# Altium PCB Clock_pcb.PcbDoc (part 2 of 2)
Units mil, origin at the board's own origin, x right, y up, seen from the top; angles counter-clockwise.
Board outline 6729 x 5417 mil, 2 copper layers (Top Layer, Bottom Layer); 84 components, 147 nets, 544 pads, 70 vias.
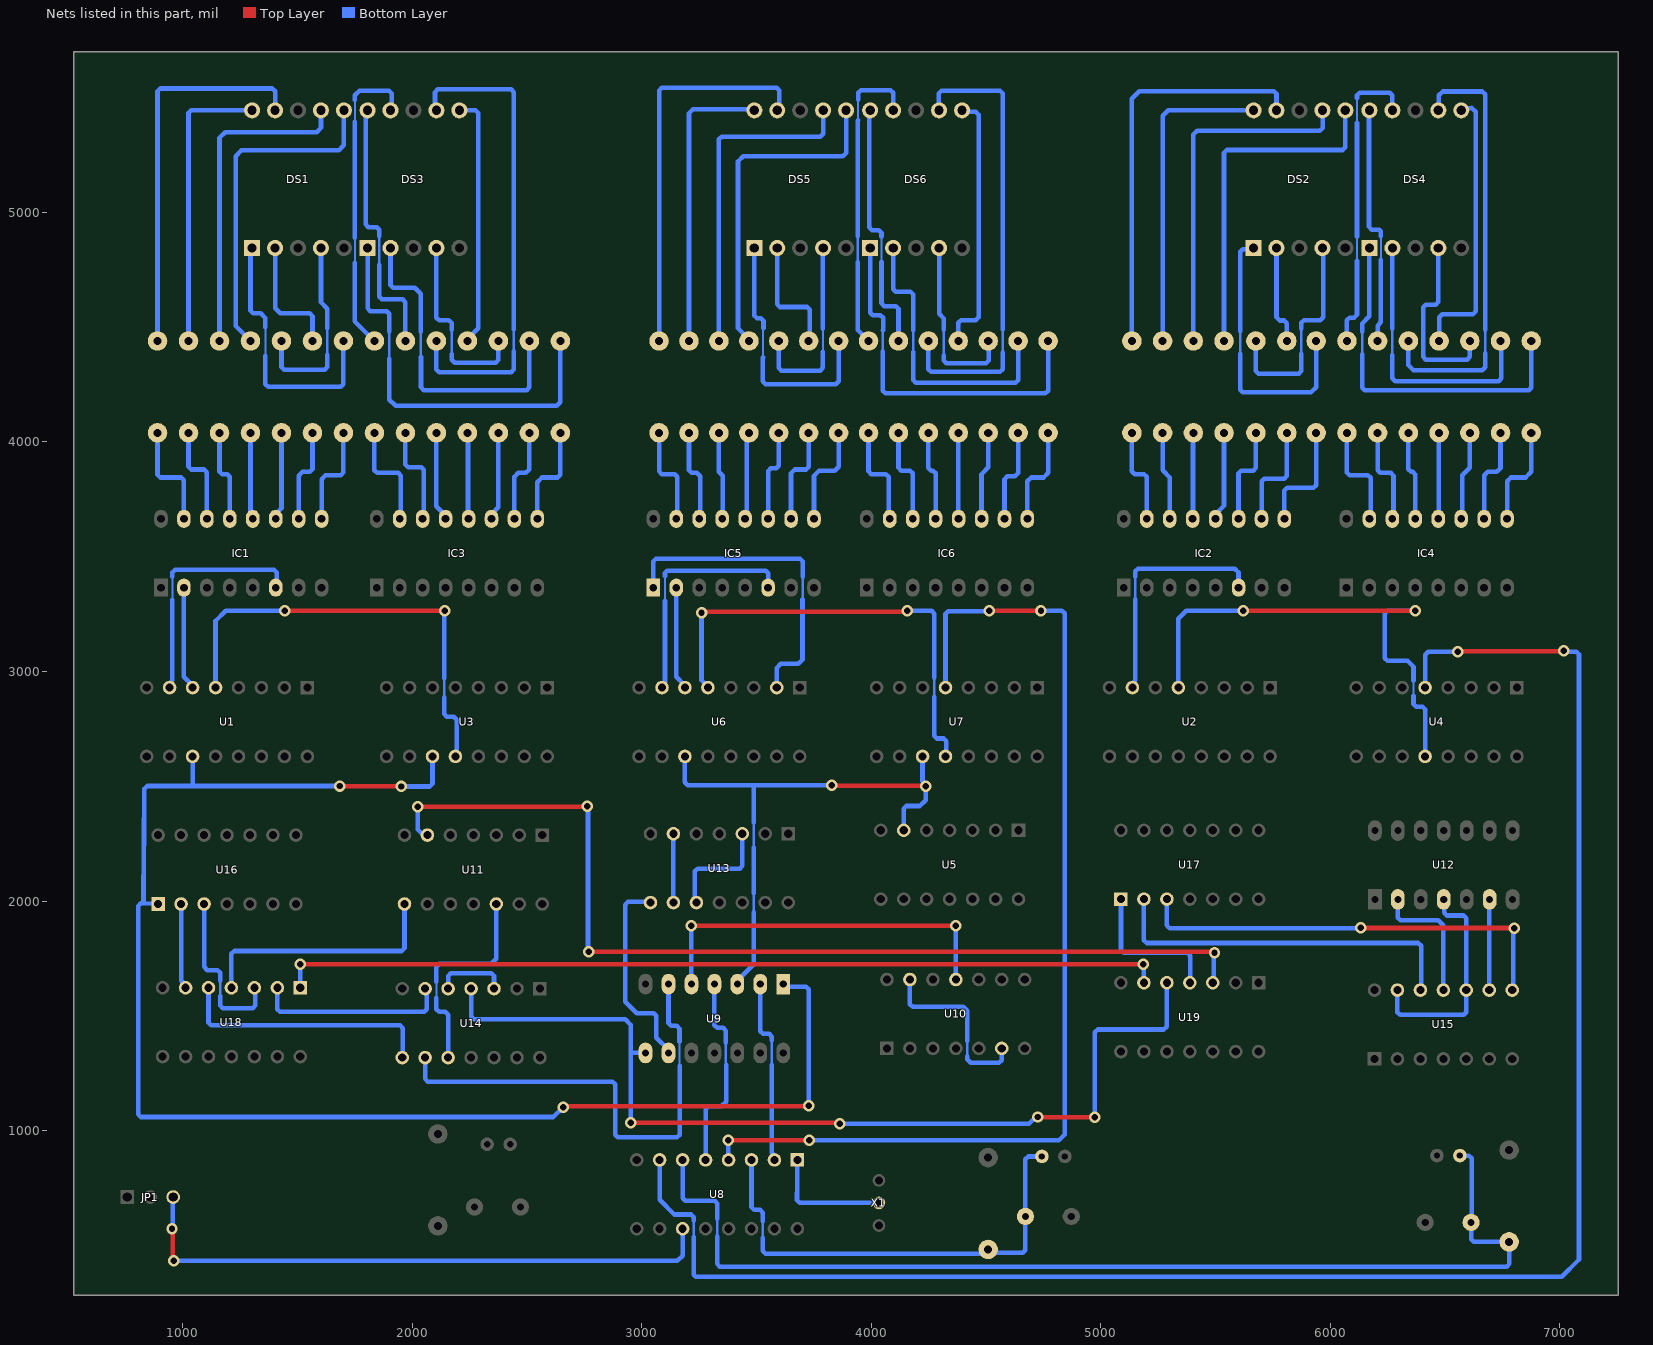
[diagram p2: the nets of this part, all layers, seen from the top]

## Via types
v1: diameter 50, hole 28, Top Layer to Bottom Layer, 70 vias

## Nets (pads, with @x,y where several pads share a name; then routed paths per layer and width w, separated by ;. In a path a pad name is that pad's centre, name@x,y a point inside that pad or via, vN(x,y) a via of type N, cw(c..) or ccw(c..) an arc to the next point about the centre after c; other vN are vias at no path point) (continued)
H3: IC2.6 U2.7 | length 1039.3
  Bottom Layer w10: 5150,3314 5150,3414
  Bottom Layer w20: U2.7@5137.44,2930 5144.91,2937.47 5144.91,2956.15 5150,2961.24 5150,3314 ; 5150,3414 5150,3436.28 5161.72,3448 5583,3448 5599.71,3431.29 IC2.6@5599.71,3365
HOUR_RESET: JP1.3 U8.11 | length 2627.4
  Top Layer w20: v1(953,573) 956.5,569.5 956.5,435.5 v1(960,432)
  Bottom Layer w20: v1(953,573) 955.5,575.5 955.5,707.5 JP1.3@958,710 ; v1(960,432) 3155,432 3177.73,454.73 U8.11@3177.73,572.03
MONTH_IN: U7.5 U8.4 | length 4683.6
  Top Layer w20: v1(3377,957) 3729,957 v1(3730,958) ; v1@4516.87,3265 v1(4739,3265)
  Bottom Layer w20: v1(3377,957) 3377.37,956.63 3377.37,872.39 U8.4@3377.73,872.03 ; v1(3730,958) 4817.28,958 4842,982.72 4842,3253.28 4830.28,3265 v1(4739,3265) ; U7.5@4322.98,2930 4322.98,3251.28 4334.69,3263 v1@4518.95,3263
  other v1: 4513,3265
MONTH_SWT: C2.1 R30.2 SW2.2 U8.3 | length 2061.5
  Bottom Layer w10: 3527,533 3527,605
  Bottom Layer w20: U8.3@3477.73,872.03 3477.73,665.72 3489.45,654 3515.28,654 3527,642.28 3527,605 ; 3527,533 3527,475.72 3538.72,464 4502.04,464 R30.2@4508.75,470.72 ; R30.2@4509,467 4659.28,467 4671,478.72 SW2.2@4671,626 4671,875.28 4682.72,887 C2.1@4743,887
NetDS1_1: DS1.1 R5.1 | length 1180.6
  Bottom Layer w10: 1360,4375 1360,4500
  Bottom Layer w20: DS1.1@1302.05,4845 1295,4837.94 1295,4571.72 1306.72,4560 1340,4560 1360,4540 1360,4500 ; 1360,4375 1360,4251.72 1371.72,4240 1688.28,4240 1700,4251.72 R5.1@1700,4440
NetDS1_2: DS1.2 R4.1 | length 547.6
  Bottom Layer w20: DS1.2@1402.05,4845 1402.05,4582.94 1425,4560 1553.28,4560 1565,4548.28 R4.1@1565,4440
NetDS1_4: DS1.4 R3.1 | length 852.8
  Bottom Layer w10: 1630,4380 1630,4495
  Bottom Layer w20: R3.1@1430,4440 1430,4326.72 1441.72,4315 1618.28,4315 1630,4326.72 1630,4380 ; DS1.4@1602.05,4845 1602.05,4607.94 1630,4580 1630,4495
NetDS1_6: DS1.6 R2.1 | length 1476.4
  Bottom Layer w20: R2.1@1295,4440 1230,4505 1230,5245 1255,5270 1680,5270 1702.05,5292.06 DS1.6@1702.05,5445
NetDS1_7: DS1.7 R1.1 | length 1421.4
  Bottom Layer w20: R1.1@1160,4440 1160,5325 1185,5350 1583.28,5350 1602.05,5368.77 DS1.7@1602.05,5445
NetDS1_9: DS1.9 R6.1 | length 1693.3
  Bottom Layer w20: R6.1@890,4440 890,5528.28 901.72,5540 1390.34,5540 1402.05,5528.28 DS1.9@1402.05,5445
NetDS1_10: DS1.10 R7.1 | length 1275.2
  Bottom Layer w20: R7.1@1025,4440 1025,5433.28 1036.72,5445 DS1.10@1302.05,5445
NetDS2_1: DS2.1 R12.1 | length 1212.1
  Bottom Layer w10: 5607,4384 5607,4482
  Bottom Layer w20: 5607,4384 5607,4227.72 5618.72,4216 5915.28,4216 5938.08,4238.79 R12.1@5938.08,4440 ; 5607,4482 5607,4828.28 5618.72,4840 5660,4840 DS2.1@5665,4845
NetDS2_2: DS2.2 R11.1 | length 434.4
  Bottom Layer w20: DS2.2@5765,4845 5765,4544 5780,4529 5798.28,4529 5810,4517.28 R11.1@5810,4440
NetDS2_4: DS2.4 R10.1 | length 957.2
  Bottom Layer w10: 5873,4385 5873,4493
  Bottom Layer w20: R10.1@5675,4440 5675,4309 5686.72,4297.28 5861.28,4297.28 5873,4309 5873,4385 ; 5873,4493 5873,4519.28 5884.72,4531 5956.28,4531 5968,4542.72 5968,4842 DS2.4@5965,4845
NetDS2_6: DS2.6 R9.1 | length 1519.3
  Bottom Layer w20: R9.1@5536.54,4440 5536.54,5259.54 5549,5272 6053.28,5272 6065,5283.72 DS2.6@6065,5445
NetDS2_7: DS2.7 R8.1 | length 1552.3
  Bottom Layer w20: R8.1@5402.69,4440 5402.69,5339.69 5419,5356 5954.28,5356 5966,5367.72 5966,5444 DS2.7@5965,5445
NetDS2_9: DS2.9 R13.1 | length 1775.4
  Bottom Layer w20: R13.1@5135,4440 5135,5496 5167,5528 5753.28,5528 5765,5516.28 DS2.9@5765,5445
NetDS2_10: DS2.10 R14.1 | length 1387.2
  Bottom Layer w20: R14.1@5268.85,4440 5268.85,5421.13 5292.72,5445 DS2.10@5665,5445
NetDS3_1: DS3.1 R19.1 | length 1772.3
  Bottom Layer w10: 1900,4363 1900,4480
  Bottom Layer w20: DS3.1@1805,4845 1805,4581.72 1816.72,4570 1888.28,4570 1900,4558.28 1900,4480 ; 1900,4363 1900,4184 1927,4157 2629.28,4157 2645,4172.72 R19.1@2645,4440
NetDS3_2: DS3.2 R18.1 | length 1401.6
  Bottom Layer w10: 2037,4480 2037,4373 2038,4372
  Bottom Layer w20: DS3.2@1905,4845 1905,4682.72 1916.72,4671 2011,4671 2037,4645 2037,4480 ; 2038,4372 2038,4237.72 2049.72,4226 2498.28,4226 2510,4237.72 R18.1@2510,4440
NetDS3_4: DS3.4 R17.1 | length 835.6
  Bottom Layer w10: 2171,4488 2172,4487 2172,4383
  Bottom Layer w20: DS3.4@2105,4845 2105,4541.72 2116.72,4530 2159.28,4530 2171,4518.28 2171,4488 ; 2172,4383 2172,4358.72 2185.72,4345 2363,4345 2375,4357 R17.1@2375,4440
NetDS3_6: DS3.6 R16.1 | length 1099.6
  Bottom Layer w20: DS3.6@2205,5445 2275.28,5445 2287,5433.28 2287,4495.53 2240,4448.53 R16.1@2240,4440
NetDS3_7: DS3.7 R15.1 | length 2114
  Bottom Layer w10: 2442,4395 2442,4490
  Bottom Layer w20: R15.1@2105,4440 2105,4315.72 2116.72,4304 2430.28,4304 2442,4315.72 2442,4395 ; DS3.7@2105,5445 2099,5451 2099,5524.28 2110.72,5536 2430.28,5536 2442,5524.28 2442,4490
NetDS3_9: DS3.9 R20.1 | length 1353.7
  Bottom Layer w10: 1750,4780 1750,4890 ; 1750,5395 1750,5490
  Bottom Layer w20: 1750,4780 1750,4525 R20.1@1835,4440 ; 1750,4890 1750,5395 ; 1750,5490 1750,5510 1770,5530 1898.28,5530 1910,5518.28 1910,5450 DS3.9@1905,5445
NetDS3_10: DS3.10 R21.1 | length 1153.9
  Bottom Layer w10: 1856,4772 1856,4897
  Bottom Layer w20: DS3.10@1805,5445 1797,5437 1797,4947.72 1808.72,4936 1844.28,4936 1856,4924.28 1856,4897 ; 1856,4772 1856,4632.72 1867.72,4621 1958.28,4621 1970,4609.28 R21.1@1970,4440
NetDS4_1: DS4.1 R26.1 | length 1571.5
  Bottom Layer w10: 6138,4382 6139,4383 6139,4480
  Bottom Layer w20: 6138,4382 6138,4236.72 6149.72,4225 6863.28,4225 6875,4236.72 R26.1@6875,4440 ; 6139,4480 6139,4516 6170,4547 DS4.1@6170,4845
NetDS4_2: DS4.2 R25.1 | length 1217.2
  Bottom Layer w10: 6270,4379 6270,4493
  Bottom Layer w20: 6270,4379 6270,4276.72 6281.72,4265 6732.78,4265 6744.5,4276.72 6744.5,4436.66 R25.1@6741.15,4440 ; 6270,4493 DS4.2@6270,4845
NetDS4_4: DS4.4 R24.1 | length 809.5
  Bottom Layer w20: DS4.4@6470,4845 6470,4609.72 6458.28,4598 6415.72,4598 6404,4586.28 6404,4370.41 6415.72,4358.69 6595.59,4358.69 6607.31,4370.41 R24.1@6607.31,4440
NetDS4_6: DS4.6 R23.1 | length 1217.8
  Bottom Layer w20: R23.1@6473.46,4440 6473.46,4542.46 6488,4557 6621.28,4557 6633,4568.72 6633,5438 6616,5455 6615.57,5454.57 6579.57,5454.57 DS4.6@6570,5445 DS4.6@6571,5444
NetDS4_7: DS4.7 R22.1 | length 1923
  Bottom Layer w10: 6674,4387 6674,4488
  Bottom Layer w20: R22.1@6339.61,4440 6339.61,4335.39 6362,4313 6662.28,4313 6674,4324.72 6674,4387 ; DS4.7@6470,5445 6472.72,5447.72 6472.72,5510 6489.72,5527 6662.28,5527 6674,5515.28 6674,4488
NetDS4_9: DS4.9 R27.1 | length 1329.6
  Bottom Layer w10: 6116,4789 6116,4894 ; 6116,5390 6116,5497
  Bottom Layer w20: R27.1@6071.92,4440 6071.92,4530.28 6083.64,4542 6104.28,4542 6116,4553.72 6116,4789 ; 6116,4894 6116,5390 ; 6116,5497 6116,5510.28 6127.72,5522 6258.28,5522 6270,5510.28 DS4.9@6270,5445
NetDS4_10: DS4.10 R28.1 | length 1052.9
  Bottom Layer w10: 6220,4793 6220,4896
  Bottom Layer w20: DS4.10@6170,5445 6168,5443 6168,4936.72 6179.72,4925 6213.28,4925 6220,4918.28 6220,4896 ; R28.1@6205.77,4440 6205.77,4506.77 6220,4521 6220,4793
NetDS5_1: DS5.1 R35.1 | length 1125.1
  Bottom Layer w10: 3528,4368 3528,4494 3530,4496
  Bottom Layer w20: DS5.1@3490,4845 3490,4550.72 3501.72,4539 3518.28,4539 3530,4527.28 3530,4496 ; 3528,4368 3527,4367 3527,4263.72 3538.72,4252 3845.59,4252 3857.31,4263.72 R35.1@3857.31,4440
NetDS5_2: DS5.2 R34.1 | length 535.4
  Bottom Layer w20: DS5.2@3590,4845 3590,4599.72 3601.72,4588 3720.28,4588 3732,4576.28 3732,4445.08 R34.1@3726.92,4440
NetDS5_4: DS5.4 R33.1 | length 842
  Bottom Layer w10: 3789,4393 3789,4493
  Bottom Layer w20: R33.1@3596.54,4440 3596.54,4322.72 3608.25,4311 3777,4311 3789,4323 3789,4393 ; 3789,4493 3789,4844 DS5.4@3790,4845
NetDS5_6: DS5.6 R32.1 | length 1473.9
  Bottom Layer w20: R32.1@3466.15,4440 3466.15,4448.22 3419,4495.38 3419,5222 3441,5244 3875,5244 3890,5259 DS5.6@3890,5445
NetDS5_7: DS5.7 R31.1 | length 1445.3
  Bottom Layer w20: R31.1@3335.77,4440 3335.77,5318.28 3347.48,5330 3778,5330 3790,5342 DS5.7@3790,5445
NetDS5_9: DS5.9 R36.1 | length 1715
  Bottom Layer w20: R36.1@3075,4440 3075,5531.28 3086.72,5543 3587.28,5543 3599,5531.28 3599,5454 DS5.9@3590,5445
NetDS5_10: DS5.10 R37.1 | length 1285
  Bottom Layer w20: R37.1@3205.38,4440 3205.38,5431.38 3223,5449 3486,5449 DS5.10@3490,5445
NetDS6_1: DS6.1 R43.1 | length 1610
  Bottom Layer w10: 4050,4395 4050,4486
  Bottom Layer w20: DS6.1@3995,4845 3995,4563.72 4006.72,4552 4039.28,4552 4051,4540.28 4051,4487 4050,4486 ; 4050,4395 4050,4223.72 4061.72,4212 4758.28,4212 4770,4223.72 R43.1@4770,4440
NetDS6_2: DS6.2 R42.1 | length 1286.2
  Bottom Layer w10: 4182,4392 4182,4487
  Bottom Layer w20: DS6.2@4095,4845 4095,4665.72 4106.72,4654 4170.28,4654 4182,4642.28 4182,4487 ; 4182,4392 4182,4269.72 4193.72,4258 4627.9,4258 4639.62,4269.72 R42.1@4639.62,4440
NetDS6_4: DS6.4 R41.1 | length 790.3
  Bottom Layer w10: 4315,4378 4315,4489
  Bottom Layer w20: DS6.4@4295,4845 4295,4558 4315,4538 4315,4489 ; 4315,4378 4315,4354.72 4326.72,4343 4499.28,4343 4511,4354.72 4511,4438.23 R41.1@4509.23,4440
NetDS6_6: DS6.6 R40.1 | length 1140.5
  Bottom Layer w20: R40.1@4378.85,4440 4378.85,4519.28 4390.56,4531 4455.28,4531 4467,4542.72 4467,5426.28 4455.28,5438 4402,5438 DS6.6@4395,5445
NetDS6_7: DS6.7 R39.1 | length 2019.5
  Bottom Layer w10: 4572,4391 4572,4490
  Bottom Layer w20: R39.1@4248.46,4440 4248.46,4316.72 4260.18,4305 4560.28,4305 4572,4316.72 4572,4391 ; DS6.7@4295,5445 4294,5446 4294,5518.28 4305.72,5530 4560.28,5530 4572,5518.28 4572,4490
NetDS6_9: DS6.9 R44.1 | length 1340.3
  Bottom Layer w10: 3941,4784 3941,4896 ; 3942,5401 3942,5490 3943,5491
  Bottom Layer w20: 3941,4784 3940,4783 3940,4487.69 R44.1@3987.69,4440 ; 3941,4896 3941,5400 3942,5401 ; 3943,5491 3943,5521.28 3954.72,5533 4083.28,5533 4095,5521.28 DS6.9@4095,5445
NetDS6_10: DS6.10 R45.1 | length 1106.3
  Bottom Layer w10: 4044,4785 4044,4895
  Bottom Layer w20: DS6.10@3995,5445 3991,5441 3991,4934.72 4002.72,4923 4032.28,4923 4044,4911.28 4044,4895 ; 4044,4785 4044,4603.72 4055.72,4592 4106.36,4592 4118.08,4580.28 R45.1@4118.08,4440
NetIC1_2: IC1.2 U1.6 | length 450.6
  Bottom Layer w20: IC1.2@1005,3365 1005,2976.45 1042.73,2938.72 U1.6@1042.73,2930
NetIC1_6: IC1.6 U1.7 | length 1038
  Bottom Layer w10: 955,3313 955,3413
  Bottom Layer w20: U1.7@942.73,2930 950.21,2937.47 950.21,2956.45 955,2961.24 955,3313 ; 955,3413 955,3431.28 966.72,3443 1397.28,3443 1409,3431.28 1409,3369 IC1.6@1405,3365
NetIC1_9: IC1.9 R5.2 | length 453.3
  Bottom Layer w20: IC1.9@1605,3665 1605,3838.28 1621.72,3855 1688.28,3855 1700,3866.72 R5.2@1700,4040
NetIC1_10: IC1.10 R4.2 | length 418.3
  Bottom Layer w20: IC1.10@1505,3665 1505,3853.28 1521.72,3870 1553.28,3870 1565,3881.72 R4.2@1565,4040
NetIC1_11: IC1.11 R3.2 | length 385.4
  Bottom Layer w20: IC1.11@1405,3665 1405,3685.41 1430,3710.41 R3.2@1430,4040
NetIC1_12: IC1.12 R2.2 | length 379.1
  Bottom Layer w20: R2.2@1295,4040 1295,3695.41 1305,3685.41 IC1.12@1305,3665
NetIC1_13: IC1.13 R1.2 | length 406.3
  Bottom Layer w20: R1.2@1160,4040 1160,3871.37 1171.72,3859.65 1193.28,3859.65 1205,3847.94 IC1.13@1205,3665
NetIC1_14: IC1.14 R7.2 | length 441.3
  Bottom Layer w20: R7.2@1025,4040 1025,3891.72 1036.72,3880 1093.28,3880 1105,3868.28 IC1.14@1105,3665
NetIC1_15: IC1.15 R6.2 | length 476.3
  Bottom Layer w20: R6.2@890,4040 890,3856.72 901.72,3845 993.28,3845 1005,3833.28 IC1.15@1005,3665
NetIC2_9: IC2.9 R12.2 | length 499.6
  Bottom Layer w20: IC2.9@5799.71,3665 5799.71,3788.28 5811.42,3800 5926.36,3800 5938.08,3811.72 R12.2@5938.08,4040
NetIC2_10: IC2.10 R11.2 | length 471.4
  Bottom Layer w20: IC2.10@5699.71,3665 5700,3665.29 5700,3828.28 5711.72,3840 5798.28,3840 5810,3851.72 R11.2@5810,4040
NetIC2_11: IC2.11 R10.2 | length 436.6
  Bottom Layer w20: IC2.11@5599.71,3665 5599.71,3863.28 5611.42,3875 5663.28,3875 5675,3886.72 R10.2@5675,4040
NetIC2_12: IC2.12 R9.2 | length 390.3
  Bottom Layer w20: IC2.12@5499.71,3665 5499.71,3685.36 5536.54,3722.19 R9.2@5536.54,4040
NetIC2_13: IC2.13 R8.2 | length 376.2
  Bottom Layer w20: IC2.13@5399.71,3665 5401.2,3666.49 5401.2,4038.51 R8.2@5402.69,4040
NetIC2_14: IC2.14 R14.2 | length 387.8
  Bottom Layer w20: R14.2@5268.85,4040 5268.85,3876.15 5299.71,3845.29 IC2.14@5299.71,3665
NetIC2_15: IC2.15 R13.2 | length 426
  Bottom Layer w20: R13.2@5135,4040 5135,3871.72 5146.72,3860 5187.99,3860 5199.71,3848.28 IC2.15@5199.71,3665
NetIC3_9: IC3.9 R19.2 | length 456.4
  Bottom Layer w20: IC3.9@2545,3665 2545,3825 2565,3845 2633.28,3845 2645,3856.72 R19.2@2645,4040
NetIC3_10: IC3.10 R18.2 | length 421.4
  Bottom Layer w20: IC3.10@2445,3665 2445,3848.28 2461.72,3865 2495,3865 2510,3880 R18.2@2510,4040
NetIC3_11: IC3.11 R17.2 | length 387.4
  Bottom Layer w20: IC3.11@2345,3665 2345,3685.41 2375,3715.41 R17.2@2375,4040
NetIC3_12: IC3.12 R16.2 | length 377.1
  Bottom Layer w20: R16.2@2240,4040 2242.5,4037.5 2242.5,3667.5 IC3.12@2245,3665
NetIC3_13: IC3.13 R15.2 | length 391.6
  Bottom Layer w20: R15.2@2105,4040 2105,3719.03 2145,3679.03 IC3.13@2145,3665
NetIC3_14: IC3.14 R21.2 | length 443.3
  Bottom Layer w20: R21.2@1970,4040 1970,3901.72 1981.72,3890 2038.28,3890 2050,3878.28 2050,3670 IC3.14@2045,3665
NetIC3_15: IC3.15 R20.2 | length 478.3
  Bottom Layer w20: R20.2@1835,4040 1835,3876.72 1846.72,3865 1938.28,3865 1950,3853.28 1950,3670 IC3.15@1945,3665
NetIC4_9: IC4.9 R26.2 | length 455.7
  Bottom Layer w20: IC4.9@6769.71,3665 6769.71,3827.99 6786.72,3845 6850,3845 6875,3870 R26.2@6875,4040
NetIC4_10: IC4.10 R25.2 | length 428
  Bottom Layer w20: IC4.10@6669.71,3665 6670,3665.29 6670,3855 6685,3870 6725,3870 6741.15,3886.15 R25.2@6741.15,4040
NetIC4_11: IC4.11 R24.2 | length 390.6
  Bottom Layer w20: IC4.11@6569.71,3665 6575,3670.29 6575,3855 6607.31,3887.31 R24.2@6607.31,4040
NetIC4_12: IC4.12 R23.2 | length 376.6
  Bottom Layer w20: IC4.12@6469.71,3665 6471.58,3666.88 6471.58,4038.12 R23.2@6473.46,4040
NetIC4_13: IC4.13 R22.2 | length 391.4
  Bottom Layer w20: R22.2@6339.61,4040 6339.61,3881.72 6351.33,3870 6357.99,3870 6369.71,3858.28 IC4.13@6369.71,3665
NetIC4_14: IC4.14 R28.2 | length 432.7
  Bottom Layer w20: R28.2@6205.77,4040 6205.77,3876.72 6217.48,3865 6263.28,3865 6275,3853.28 6275,3670.29 IC4.14@6269.71,3665
NetIC4_15: IC4.15 R27.2 | length 466.5
  Bottom Layer w20: R27.2@6071.92,4040 6071.92,3866.72 6083.64,3855 6163.28,3855 6175,3843.28 6175,3670.29 IC4.15@6169.71,3665
NetIC5_1: IC5.1 U6.2 | length 1415.5
  Bottom Layer w10: 3700,3315 3701,3316 3701,3413
  Bottom Layer w20: IC5.1@3050,3365 3050,3479.28 3061.72,3491 3689.28,3491 3701,3479.28 3701,3413 ; U6.2@3587.73,2930 3587.73,3015.02 3605.72,3033 3681.28,3033 3700,3051.72 3700,3315
NetIC5_2: IC5.2 U6.6 | length 450.6
  Bottom Layer w20: IC5.2@3150,3365 3150,2976.45 3187.73,2938.72 U6.6@3187.73,2930
NetIC5_6: IC5.6 U6.7 | length 1026.9
  Bottom Layer w10: 3101,3309 3101,3415
  Bottom Layer w20: U6.7@3087.73,2930 3087.73,2940.57 3101,2953.84 3101,3309 ; 3101,3415 3101,3429.28 3111.1,3439.38 3539.28,3439.38 3551,3427.67 3551,3366 IC5.6@3550,3365
NetIC5_9: IC5.9 R35.2 | length 459.4
  Bottom Layer w20: IC5.9@3750,3665 3750,3853.28 3771.72,3875 3840,3875 3857.31,3892.31 R35.2@3857.31,4040
NetIC5_10: IC5.10 R34.2 | length 435.3
  Bottom Layer w20: IC5.10@3650,3665 3650,3863.28 3666.72,3880 3715.21,3880 3726.92,3891.72 R34.2@3726.92,4040
NetIC5_11: IC5.11 R33.2 | length 407.8
  Bottom Layer w20: IC5.11@3550,3665 3550,3873.28 3561.72,3885 3584.82,3885 3596.54,3896.72 R33.2@3596.54,4040
NetIC5_12: IC5.12 R32.2 | length 381.7
  Bottom Layer w20: IC5.12@3450,3665 3457.47,3672.47 3457.47,4031.32 R32.2@3466.15,4040
NetIC5_13: IC5.13 R31.2 | length 383.6
  Bottom Layer w20: R31.2@3335.77,4040 3335.77,3870.8 3353.28,3853.28 3353.28,3668.28 IC5.13@3350,3665
NetIC5_14: IC5.14 R37.2 | length 411
  Bottom Layer w20: R37.2@3205.38,4040 3205.38,3876.72 3217.1,3865 3240,3865 3255,3850 3255,3670 IC5.14@3250,3665
NetIC5_15: IC5.15 R36.2 | length 443.3
  Bottom Layer w20: R36.2@3075,4040 3075,3871.72 3086.72,3860 3143.28,3860 3155,3848.28 3155,3670 IC5.15@3150,3665
NetIC6_9: IC6.9 R43.2 | length 443.5
  Bottom Layer w20: IC6.9@4680,3665 4680,3828.28 4696.72,3845 4750,3845 4770,3865 R43.2@4770,4040
NetIC6_10: IC6.10 R42.2 | length 419.2
  Bottom Layer w20: IC6.10@4580,3665 4580,3838.28 4591.72,3850 4625,3850 4639.62,3864.62 R42.2@4639.62,4040
NetIC6_11: IC6.11 R41.2 | length 387.1
  Bottom Layer w20: IC6.11@4480,3665 4480,3860 4509.23,3889.23 R41.2@4509.23,4040
NetIC6_12: IC6.12 R40.2 | length 375.5
  Bottom Layer w20: R40.2@4378.85,4040 4379.42,4039.42 4379.42,3665.58 IC6.12@4380,3665
NetIC6_13: IC6.13 R39.2 | length 392.8
  Bottom Layer w20: R39.2@4248.46,4040 4248.46,3886.72 4260.18,3875 4268.28,3875 4280,3863.28 IC6.13@4280,3665
NetIC6_14: IC6.14 R45.2 | length 423.2
  Bottom Layer w20: R45.2@4118.08,4040 4118.08,3886.72 4129.79,3875 4168.28,3875 4180,3863.28 IC6.14@4180,3665
NetIC6_15: IC6.15 R44.2 | length 450.7
  Bottom Layer w20: R44.2@3987.69,4040 3987.69,3871.72 3999.41,3860 4063.28,3860 4075,3848.28 4075,3670 IC6.15@4080,3665
NetU8_1: U8.1 X1.2 | length 537.6
  Bottom Layer w20: 3676,728.72 3676,696.29 3687.72,684.57 X1.2@4033,684.57 ; 3677.73,728.72 U8.1@3677.73,872.03
NetU8_2: U8.2 U9.2 | length 807.4
  Bottom Layer w10: 3566.58,1287.42 3566.58,1393.42
  Bottom Layer w20: U9.2@3516.01,1638 3516.01,1432.72 3527.72,1421 3554.87,1421 3566.58,1409.28 3566.58,1393.42 ; 3566.58,1287.42 3566.58,903.27 3570.26,899.59 3570.26,879.5 U8.2@3577.73,872.03
NetU8_5: U8.5 U9.4 | length 872.8
  Bottom Layer w10: 3366,1382 3366,1287 3367,1286
  Bottom Layer w20: U8.5@3277.73,872.03 3277.73,1093.28 3289.45,1105 3346,1105 3367,1126 3367,1286 ; U9.4@3316.01,1638 3316.01,1458.72 3327.72,1447 3354.28,1447 3366,1435.28 3366,1382
NetU9_5: U9.5 U10.11 | length 1643.4
  Top Layer w20: v1(3215,1893) v1(4368,1893)
  Bottom Layer w20: v1(3215,1893) 3215.5,1892.5 3215.5,1638.5 U9.5@3216.01,1638 ; U10.11@4368,1658 v1(4368,1893)
NetU9_6: U9.6 U14.9 | length 2132.3
  Bottom Layer w10: 3164,1388 3164,1284 3165,1283
  Bottom Layer w20: U14.9@2056,1318.03 2056,1224.72 2067.72,1213 2872.28,1213 2884,1201.28 2884,981.72 2895.72,970 3153.28,970 3165,981.72 3165,1283 ; U9.6@3116.01,1638 3116.01,1467.72 3127.72,1456 3152.28,1456 3164,1444.28 3164,1388
NetU9_8: U9.8 U14.4 U19.5 | length 4246
  Top Layer w20: v1(2952,1034) 3858,1034 v1(3862,1030) ; v1(4724,1059) 4725,1058 4973,1058 v1(4974,1057)
  Bottom Layer w20: U14.4@2256,1618.03 2256,1495.72 2267.72,1484 2928,1484 2952,1460 2952,1339 ; v1(2952,1034) 2952,1339 ; U9.8@3016.01,1338 2953,1338 2952,1339 ; v1(3862,1030) 4686.88,1030 4715.88,1059 v1(4724,1059) ; v1(4974,1057) 4974,1428.28 4985.72,1440 5274.44,1440 5287.44,1453 U19.5@5287.44,1644
NetU9_9: U9.9 U13.8 | length 882.9
  Bottom Layer w20: U13.8@3037.73,1993 3034.73,1996 2939.72,1996 2928,1984.28 2928,1561 2978,1511 3051.28,1511 3063,1499.28 3063,1405 3116.01,1351.99 U9.9@3116.01,1338
NetU10_6: U10.6 U10.13 | length 793.1
  Bottom Layer w10: 4418,1324 4418,1390
  Bottom Layer w20: U10.13@4168,1658 4168,1550.72 4179.72,1539 4400.28,1539 4418,1521.28 4418,1390 ; 4418,1324 4418,1310 4433,1295 4556.28,1295 4568,1306.72 U10.6@4568,1358
NetU11_6: U11.6 U19.3 | length 4389.1
  Top Layer w20: v1(2023,2410) 2024,2411 2761,2411 v1(2762,2412) ; v1(2769,1779) 5491,1779 v1(5495,1775)
  Bottom Layer w20: v1(2023,2410) 2023,2311.64 2040.14,2294.5 2058.53,2294.5 U11.6@2066,2287.03 ; v1(2762,2412) 2765.5,2408.5 2765.5,1782.5 v1(2769,1779) ; U19.3@5487.44,1644 5491.22,1647.78 5491.22,1771.22 v1(5495,1775)
NetU11_8: U11.8 U18.4 | length 1105.3
  Bottom Layer w20: U18.4@1212,1622 1212,1770.28 1223.72,1782 1954.28,1782 1966,1793.72 U11.8@1966,1987.03
NetU11_12: U11.12 U14.10 | length 946.4
  Bottom Layer w10: 2105,1579 2105,1648
  Bottom Layer w20: 2105,1579 2105,1528.72 2116.72,1517 2144.28,1517 2156,1505.28 U14.10@2156,1318.03 ; 2105,1648 2105,1713.28 2117.72,1726 2343,1726 2366,1749 U11.12@2366,1987.03
NetU12_2: U12.2 U15.11 | length 573.5
  Bottom Layer w20: U12.2@6293.7,2007 6293.7,1927.72 6305.42,1916 6470,1916 6492,1894 U15.11@6492,1612
NetU12_4: U12.4 U15.10 U15.13 | length 980.9
  Bottom Layer w20: U15.13@6292,1612 6292,1515.72 6303.72,1504 6580.28,1504 6592,1515.72 U15.10@6592,1612 6592,1925.28 6580.28,1937 6506.98,1937 6495.27,1948.72 6495.27,2005.43 U12.4@6493.7,2007
NetU12_6: U12.6 U15.9 | length 395.7
  Bottom Layer w20: U15.9@6692,1612 6692.85,1612.85 6692.85,2006.15 U12.6@6693.7,2007
NetU13_3: U13.3 U13.10 | length 495.8
  Bottom Layer w20: U13.10@3237.73,1993 3231,1999.73 3231,2129.28 3242.72,2141 3426.02,2141 3437.73,2152.72 U13.3@3437.73,2293
NetU13_6: U13.6 U13.9 | length 300
  Bottom Layer w20: U13.9@3137.73,1993 U13.6@3137.73,2293
NetU14_3: U14.3 U14.5 | length 320.2
  Bottom Layer w20: U14.5@2156,1618.03 2156,1673.28 2167.72,1685 2344.28,1685 2356,1673.28 U14.3@2356,1618.03
NetU14_6: U14.6 U18.2 | length 846.2
  Bottom Layer w20: U18.2@1412,1622 1412,1528.72 1423.72,1517 2051.28,1517 2063,1528.72 2063,1611.03 U14.6@2056,1618.03
NetU14_8: U14.8 U18.5 | length 1137.1
  Bottom Layer w20: U18.5@1112,1622 1112,1469.72 1123.72,1458 1946.28,1458 1958,1446.28 1958,1320.03 U14.8@1956,1318.03
NetU15_8: U15.8 U17.3 | length 1905.8
  Top Layer w20: v1(6133,1883) 6133.5,1882.5 6799.5,1882.5 v1(6800,1882)
  Bottom Layer w20: U17.3@5287.44,2008 5287.44,1893.72 5299.15,1882 6132,1882 v1(6133,1883) ; U15.8@6792,1612 6796,1616 6796,1878 v1(6800,1882)
NetU15_12: U15.12 U17.2 | length 1591.1
  Bottom Layer w20: U17.2@5187.44,2008 5187.44,1828.72 5199.15,1817 6383.28,1817 6395,1805.28 6395,1615 U15.12@6392,1612
NetU16_2: U16.2 U18.6 | length 373
  Bottom Layer w20: U16.2@992.73,1987.03 992.73,1651.84 1012,1632.57 U18.6@1012,1622
NetU16_3: U16.3 U18.3 | length 739
  Bottom Layer w10: 1163,1586 1163,1653
  Bottom Layer w20: U16.3@1092.73,1987.03 1092.73,1713.27 1107,1699 1151.28,1699 1163,1687.28 1163,1653 ; 1163,1586 1163,1544.72 1174.72,1533 1304.28,1533 1316,1544.72 1316,1618 U18.3@1312,1622
NetU17_1: U17.1 U19.4 | length 653.9
  Bottom Layer w20: U17.1@5087.44,2008 5087.44,1785.72 5099.15,1774 5378.28,1774 5390,1762.28 5390,1646.56 U19.4@5387.44,1644
NetU18_1: U18.1 U19.6 | length 3858.8
  Top Layer w20: v1(1512,1725) 1512.5,1724.5 5184.5,1724.5 v1(5185,1724)
  Bottom Layer w20: U18.1@1512,1622 1512,1724 1511,1725 v1(1512,1725) ; v1(5185,1724) 5186.22,1722.78 5186.22,1645.22 U19.6@5187.44,1644
RESET_DAY: U1.11 U3.11 U9.1 U16.1 | length 6586.2
  Top Layer w20: v1(1683,2501) 1684,2500 1950,2500 v1(1951,2499) ; v1(2657,1102) 2660,1105 3724,1105 v1(3727,1108)
  Bottom Layer w20: U16.1@892.73,1987.03 873.2,1987.95 829,1990.03 ; U1.11@1042.73,2630 1042.73,2501 ; v1(1683,2501) 1042.73,2501 ; v1(1951,2499) 2076.26,2499 2087.98,2510.72 U3.11@2087.98,2630 ; v1(2657,1102) 2614,1059 817.72,1059 806,1070.72 806,1978.31 817.72,1990.03 829,1990.03 ; U9.1@3616.01,1638 3627.01,1627 3715.28,1627 3727,1615.28 v1(3727,1108) ; 829,1990.03 833,2489.28 844.72,2501 1042.73,2501
RESET_MONTH: U5.6 U6.11 U7.11 U9.3 | length 2468.6
  Top Layer w20: v1(3828,2505) 3830.5,2502.5 4234.5,2502.5 v1(4237,2500)
  Bottom Layer w10: 3488,1951 3488,2033 ; 3488,2233 3488,2342
  Bottom Layer w20: U6.11@3187.73,2630 3187.73,2516.72 3199.45,2505 3489,2505 ; U9.3@3416.01,1638 3416.01,1653 3488,1724.99 3488,1951 ; 3488,2033 3488,2233 ; 3488,2342 3488,2504 3489,2505 ; v1(3828,2505) 3489,2505 ; U5.6@4141,2308 4141,2402.28 4152.72,2414 4211.26,2414 4237,2439.74 4237,2508.12 4222.98,2522.14 U7.11@4222.98,2630
"TCU DAY": U1.5 U3.12 | length 1972
  Top Layer w20: v1(1445,3265) v1(2142,3265)
  Bottom Layer w10: 2139,2887 2139,2971
  Bottom Layer w20: U1.5@1142.73,2930 1142.73,3219.73 1188,3265 v1(1445,3265) ; 2139,2887 2139,2814.72 2150.72,2803 2181,2803 2194,2790 2194,2636.02 U3.12@2187.98,2630 ; 2139,2971 2139,3247 v1@2142,3250
"TCU MONTH": U6.5 U7.12 | length 2014.9
  Top Layer w20: v1(3260,3256) 3264.5,3260.5 4152.5,3260.5 v1(4157,3265)
  Bottom Layer w10: 4274,2890 4274,2972
  Bottom Layer w20: v1(3260,3256) 3260,2961.24 3287.73,2933.51 U6.5@3287.73,2930 ; v1@4165.39,3264 4262.28,3264 4274,3252.28 4274,2972 ; 4274,2890 4274,2719.72 4285.72,2708 4315.28,2708 4327,2696.28 4327,2634.02 U7.12@4322.98,2630
"TCU YEAR": U2.5 U4.12 | length 2249.5
  Top Layer w20: v1(5621,3265) 5955.56,3265 5956.56,3264 v1(6370,3264)
  Bottom Layer w10: 6362,2893 6362,2959
  Bottom Layer w20: U2.5@5337.44,2930 5337.44,3230.28 5372.15,3265 v1(5621,3265) ; 6362,2893 6362,2857.72 6373.72,2846 6401.28,2846 6413,2834.28 6413,2630.32 U4.12@6412.68,2630 ; 6362,2959 6362,3020 6336,3046 6248.72,3046 6237,3057.72 6237,3253.28 6248.72,3265 6369,3265 v1(6370,3264)
YEAR_IN: U4.5 U8.7 | length 7958.3
  Top Layer w20: v1(6555,3086) 6557,3088 7015,3088 v1(7017,3090)
  Bottom Layer w10: 3226,536 3226,607
  Bottom Layer w20: U8.7@3077.73,872.03 3077.73,698.27 3142,634 3214.28,634 3226,622.28 3226,607 ; 3226,536 3226,371.72 3234.69,363.03 7008.03,363.03 7083,438 7083,3074 7071.28,3085.72 7021.28,3085.72 v1(7017,3090) ; U4.5@6412.68,2930 6412.68,3072.28 6426.4,3086 v1(6555,3086)
YEAR_SWT: C1.1 R29.2 SW1.2 U8.6 | length 4729.8
  Bottom Layer w10: 3328,539 3328,614 3329,615
  Bottom Layer w20: U8.6@3177.73,872.03 3177.73,705.45 3189.45,693.73 3317.28,693.73 3329,682.02 3329,615 ; 3328,539 3328,418.72 3339.72,407 6768.28,407 6780,418.72 6780,514 R29.2@6779,515 6624.72,515 6613,526.72 SW1.2@6613,600 6615,602 6615,879.28 6603.28,891 C1.1@6564,891
pads on no net: DS1.3 DS1.5 DS2.3 DS2.5 DS3.3 DS3.5 DS4.3 DS4.5 DS5.3 DS5.5 DS6.3 DS6.5 IC1.3 IC1.4 IC1.5 IC2.3 IC2.4 IC2.5 IC3.3 IC3.4 IC3.5 IC4.3 IC4.4 IC4.5 IC5.3 IC5.4 IC5.5 IC6.3 IC6.4 IC6.5 U1.12 U1.13 U2.1 U2.9 U2.10 U2.12 U2.13 U2.15 U3.13 U4.1 U4.9 U4.10 U4.13 U4.15 U5.1 U5.2 U5.8 U5.9 U5.10 U5.11 U5.12 U5.13 U6.12 U6.13 U7.13 U8.12 U8.13 U8.14 U9.10 U9.11 U9.12 U9.13 U10.1 U10.2 U10.3 U10.8 U10.9 U10.10 U12.8 U12.9 U12.10 U12.11 U12.12 U12.13 U13.11 U13.12 U13.13 U14.11 U14.12 U14.13 U15.3 U15.4 U15.5 U15.6 U16.4 U16.5 U16.6 U16.8 U16.9 U16.10 U16.11 U16.12 U16.13 U17.4 U17.5 U17.6 U17.8 U17.9 U17.10 U17.11 U17.12 U17.13 U18.8 U18.9 U18.10 U18.11 U18.12 U18.13 U19.1 U19.2 U19.8 U19.9 U19.10 U19.11 U19.12 U19.13

## Polygon pours and split planes (outlines as drawn)
GND on Bottom Layer (solid, remove dead copper, pour order 0): 516,5704 526,5694 7259,5694 7259,284 7256,281 7255,282 525,282

## Keep-outs
Keep-Out Layer:
  the board outline again, w10

## Text inside footprints (layer, text, board x,y; h text height)
IC1: Top Overlay "DIP-16" at 1085,3485 h59.05
IC2: Top Overlay "DIP-16" at 5279.71,3485 h59.05
IC3: Top Overlay "DIP-16" at 2025,3485 h59.05
IC4: Top Overlay "DIP-16" at 6249.71,3485 h59.05
IC5: Top Overlay "DIP-16" at 3230,3485 h59.05
IC6: Top Overlay "DIP-16" at 4160,3485 h59.05